# Altium PCB LimeSDR-QPCIe_1v2.PcbDoc (part 13 of 21) (continued)
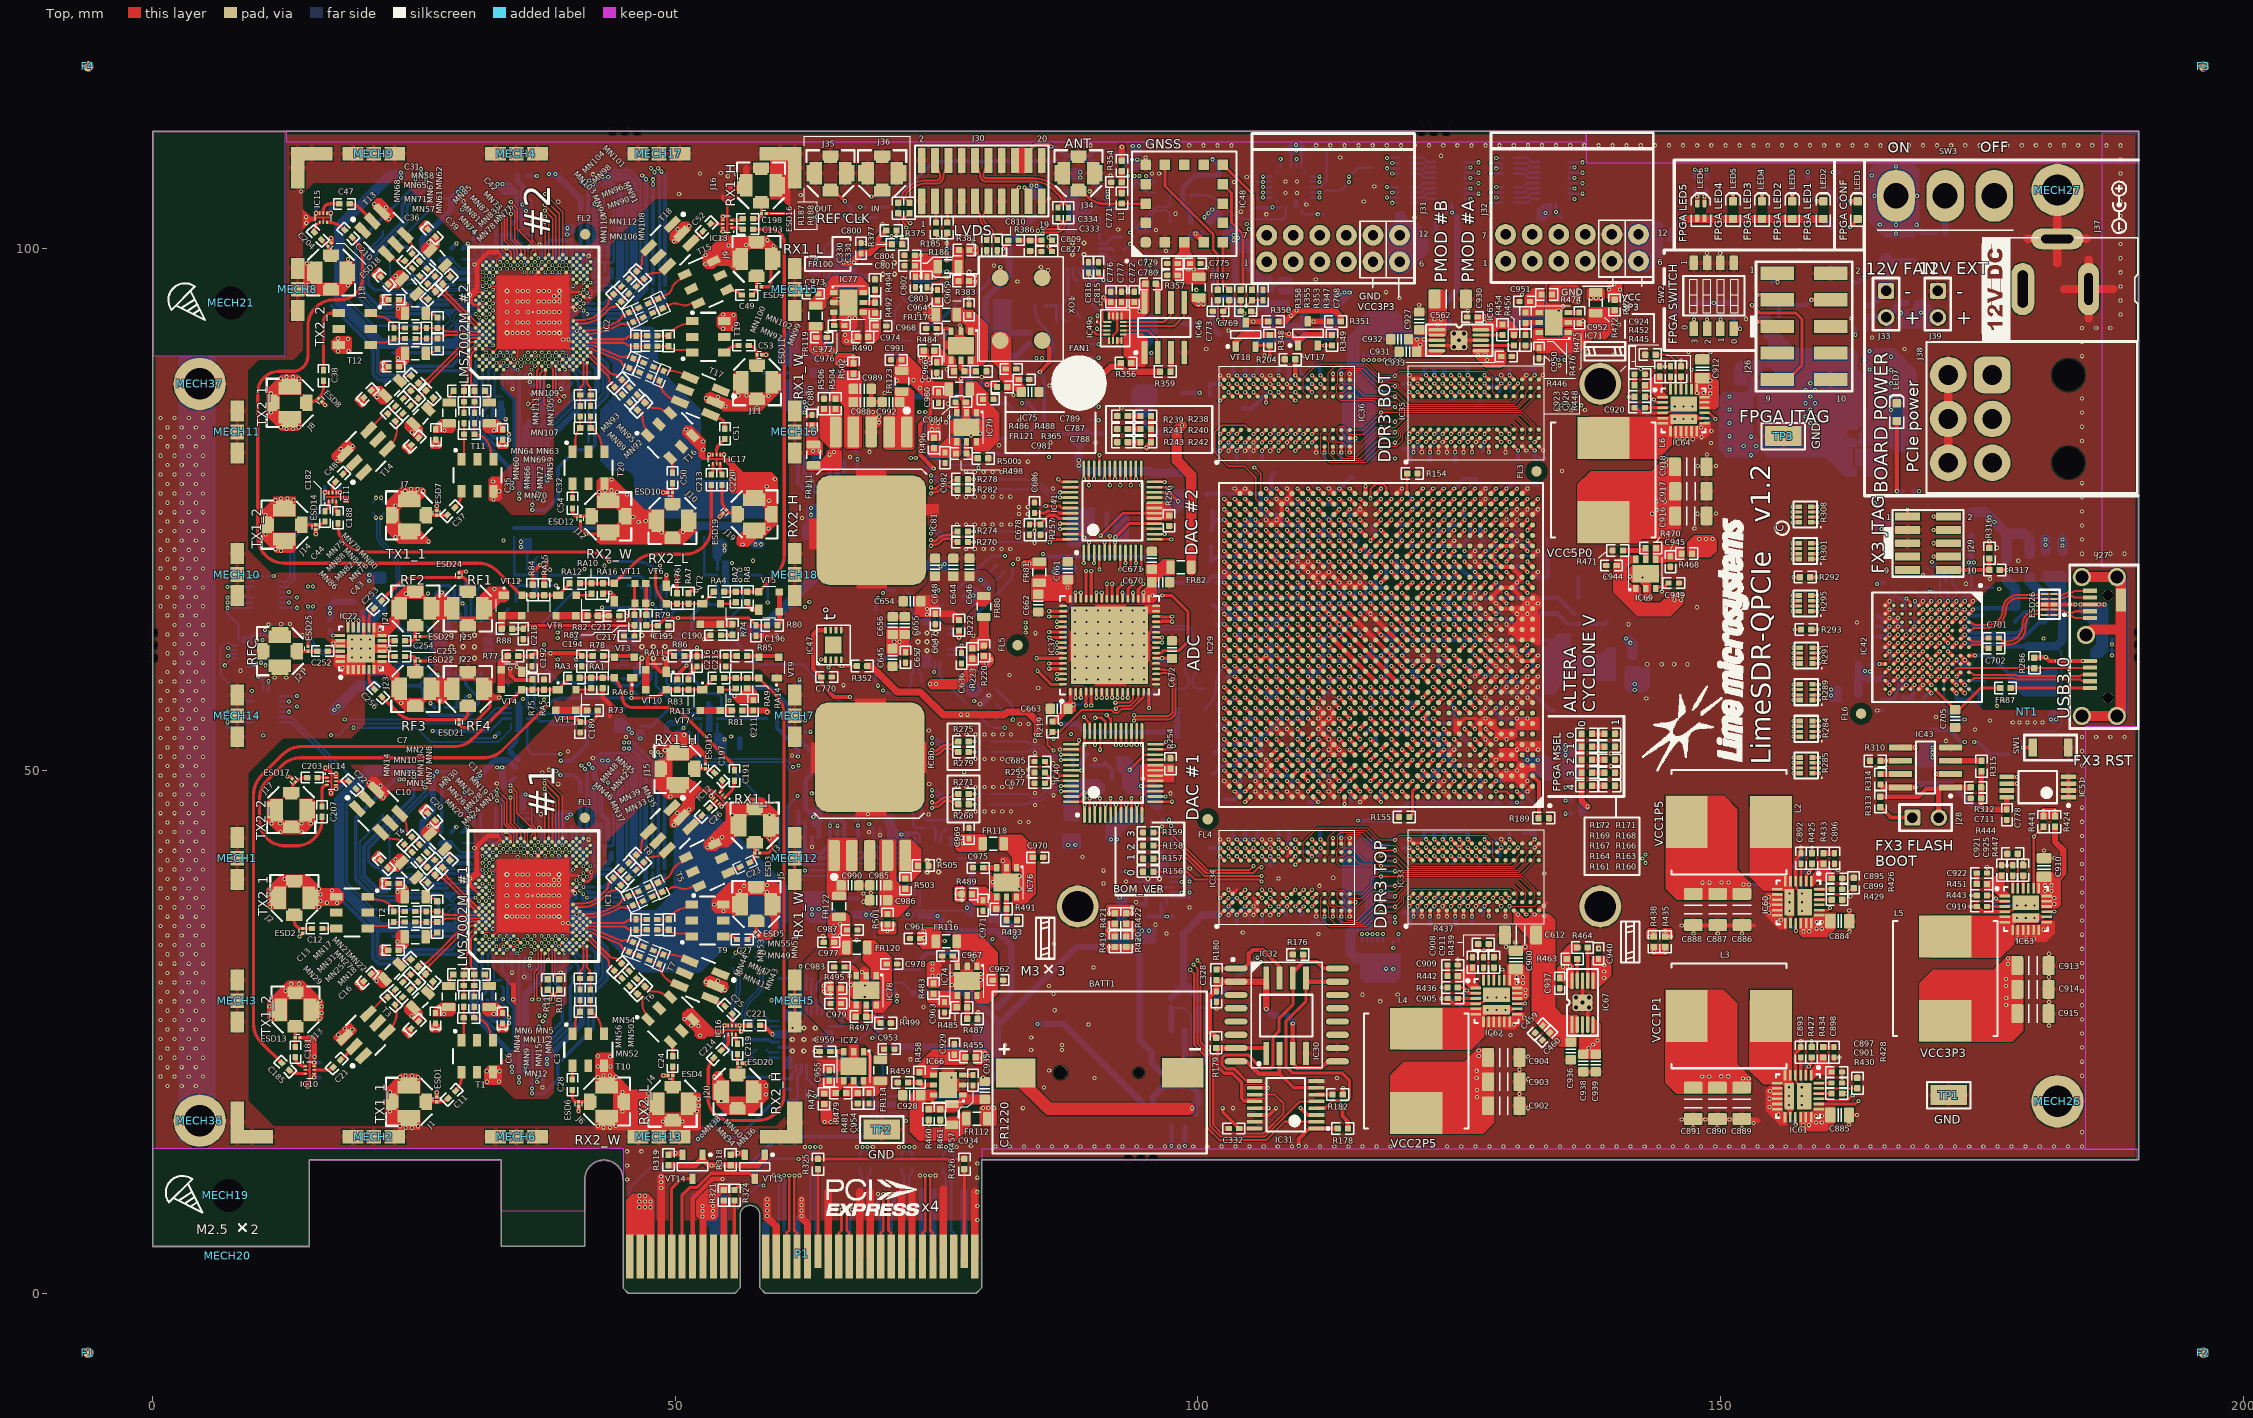
[diagram p0: Top view]
## Nets (pads, with @x,y where several pads share a name; then routed paths per layer and width w, separated by ;. In a path a pad name is that pad's centre, name@x,y a point inside that pad or via, vN(x,y) a via of type N, cw(c..) or ccw(c..) an arc to the next point about the centre after c; other vN are vias at no path point) (continued)
LMS1_RESET: IC1.E27 IC29.L21 R5.2 | length 91.7
  Top w0.4: v2(111.525,58) IC29.L21@112.025,57.5
  L8 w0.1: v3(32.217,41.178) 32.217,41.152 33.869,39.5 35.94,39.5 36.74,38.7 39.139,38.7 40.959,40.52 41.343,40.52 41.533,40.71 41.533,41.395 42.179,42.041 42.555,42.041 45.839,45.325 54.525,45.325 v1(62.925,53.725) 63.4,54.2 78.48,54.2 79.08,53.6 79.08,53.32 80.125,52.275 84.475,52.275 86.05,53.85 91.824,53.85 94.499,56.525 99.449,56.525 100.574,57.65 110.67,57.65 111.02,58 v2(111.525,58)
  Bottom w0.4: R5.2@62.4,53.725 v1(62.925,53.725)
LMS1_RX1_BB_I_ADC_N: IC1.U5 R3.2 | length 22.9
  L10 w0.1: v3(36.213,33.852) 36.213,34.463 cw(c36.55,34.463) 36.55,34.8 54.729,34.8 cw(c54.729,33.4) 56.129,33.4 56.129,32.94 ccw(c56.641,32.94) v1(56.279,32.577)
  Bottom w0.2: v1@56.276,32.576 ccw(c57.541,33.091) R3.2@56.575,32.125
LMS1_RX1_BB_I_ADC_P: IC1.V4 R1.2 | length 22.1
  L10 w0.1: v3(36.546,33.519) 36.636,33.609 ccw(c36.121,34.125) 36.85,34.125 cw(c37.325,34.125) 37.325,34.6 54.729,34.6 cw(c54.729,33.4) 55.929,33.4 55.929,32.937 cw(c55.417,32.937) v1(55.779,32.575)
  Bottom w0.2: R1.2@55.479,32.124 ccw(c54.514,33.089) v1(55.779,32.575)
LMS1_RX1_BB_I_DET: IC19.15 R89.2 R92.1 R93.2 | length 4
  Bottom w0.3: IC19.15@64.7,23.025 R93.2@65.975,23.025 65.975,21.5 R92.1@65.879,21.404 R89.2@66.656,20.626
LMS1_RX1_BB_I_DET_N: IC19.26 R95.1 | length 1.3
  Bottom w0.2: R95.1@58.725,23.3 59,23.025 IC19.26@59.9,23.025
LMS1_RX1_BB_I_DET_P: IC19.25 R94.1 | length 1.3
  Bottom w0.2: R94.1@58.725,22.25 59,22.525 IC19.25@59.9,22.525
LMS1_RX1_BB_I_N: IC1.AB2 R3.1 R95.2 R210.2 | length 80.4
  Top w0.1: 37.878,32.267 IC1.AB2@37.878,32.853
  Top w0.15: v1(37.825,31.875) ccw(c37.697,32.003) 37.878,32.003 37.878,32.267
  L12 w0.1: v1(37.825,31.875) ccw(c38.309,31.875) 38.309,31.391 39.725,31.391 ccw(c39.725,31.695) 40.029,31.695 40.029,32.065 cw(c40.333,32.065) 40.333,32.369 cw(c40.333,32.065) 40.637,32.065 40.637,31.695 ccw(c40.941,31.695) 40.941,31.391 41.245,31.391 ; v1(56.279,30.672) cw(c56.279,30.822) v1@56.251,30.675 ; v1@56.279,30.677 ccw(c56.279,30.527) v1@56.251,30.675 ; 56.556,29.394 cw(c57.586,30.425) 56.129,30.425 56.129,30.527 cw(c56.279,30.527) v1@56.251,30.675 ; 56.556,29.394 ccw(c57.266,30.105) 57.266,29.1 57.798,29.1 ccw(c57.798,31.64) 59.594,29.844 ccw(c57.95,31.488) 60.275,31.488 60.275,50.997 cw(c62.353,50.997) 60.884,52.466 cw(c62.353,50.997) 62.353,53.075 63.631,53.075 ccw(c63.631,55.615) 65.428,53.819 69.164,57.556 ; 69.164,57.556 ccw(c68.595,58.125) v1(69.4,58.125) ; 41.245,31.391 41.75,31.391 ; 41.245,31.391 41.75,31.391 ; 41.75,31.391 45.275,31.391 ccw(c45.275,31.588) 45.471,31.588 45.471,32.393 cw(c45.883,32.393) 46.295,32.393 46.295,30.174 ccw(c46.491,30.174) 46.687,30.174 46.687,32.393 cw(c47.099,32.393) 47.511,32.393 47.511,31.588 ccw(c47.707,31.588) 47.707,31.391 55.662,31.391 cw(c55.662,30.925) 56.129,30.925 56.129,30.822 ccw(c56.279,30.822) v1@56.251,30.675
  Bottom w0.2: R3.1@56.575,31.125 56.475,31.025 ccw(c57.199,30.301) 56.175,30.301 56.175,28.945 cw(c54.98,28.945) 55.825,28.1 ccw(c56.187,27.738) 55.675,27.738 55.675,25.926 cw(c54.224,25.926) 55.25,24.9 ccw(c55.793,24.357) 55.025,24.357 55.025,23.9 ccw(c56,23.9) 56,22.925 57.125,22.925 ccw(c57.125,23.468) 57.509,23.084 R95.2@57.725,23.3
  Bottom w0.254: R210.2@69.15,59.25 69.15,58.729 ccw(c70.004,58.729) v1(69.4,58.125)
LMS1_RX1_BB_I_P: IC1.Y6 R1.1 R94.2 R214.2 | length 81.2
  L12 w0.1: v3(37.212,34.185) 37.106,34.079 ccw(c37.635,33.55) 36.887,33.55 36.887,32.746 ccw(c38.457,32.746) 38.457,31.176 40.841,31.176 41.245,31.176 41.75,31.176 45.275,31.176 ccw(c45.275,31.588) 45.687,31.588 45.687,32.393 cw(c45.883,32.393) 46.079,32.393 46.079,30.174 ccw(c46.491,30.174) 46.903,30.174 46.903,32.393 cw(c47.099,32.393) 47.295,32.393 47.295,31.588 ccw(c47.707,31.588) 47.707,31.176 55.678,31.176 cw(c55.678,30.925) 55.929,30.925 55.929,30.825 cw(c55.779,30.825) v1(55.779,30.675) cw(c55.779,30.525) 55.929,30.525 55.929,30.342 ccw(c57.386,30.342) 56.356,29.311 56.414,29.253 ccw(c57.266,30.105) 57.266,28.9 57.798,28.9 ccw(c57.798,31.64) 59.735,29.703 ccw(c57.95,31.488) 60.475,31.488 60.475,50.997 cw(c62.353,50.997) 61.025,52.325 cw(c62.353,50.997) 62.353,52.875 63.631,52.875 ccw(c63.631,55.615) 65.569,53.678 69.306,57.414 ; 69.306,57.414 cw(c69.875,56.845) v1(69.875,57.65)
  Bottom w0.2: R1.1@55.475,31.125 55.575,31.025 cw(c54.851,30.301) 55.875,30.301 55.875,28.945 cw(c54.98,28.945) 55.613,28.312 ccw(c56.187,27.738) 55.375,27.738 55.375,25.926 cw(c54.224,25.926) 55.038,25.112 ccw(c55.793,24.357) 54.725,24.357 54.725,23.9 ccw(c56,23.9) 56,22.625 57.125,22.625 cw(c57.125,22.082) 57.509,22.466 R94.2@57.725,22.25
  Bottom w0.254: v1(69.875,57.65) ccw(c70.479,58.254) 70.479,57.4 R214.2@71,57.4
LMS1_RX1_BB_Q_ADC_N: IC1.W3 R7.2 | length 37.9
  Top w0.1: 36.879,32.629 IC1.W3@36.879,33.186
  Top w0.15: v1(36.31,28.1) 36.5,28.29 36.5,30.7 36.879,31.079 36.879,32.629
  L8 w0.1: v1@36.31,28.11 cw(c36.31,27.976) 36.404,28.071 36.525,27.95 36.525,27.85 cw(c36.25,27.85) 36.25,27.575 ccw(c36.25,26.825) 35.5,26.825 35.5,26.425 ccw(c36.062,26.425) 35.665,26.028 36.567,25.125 ccw(c37.05,25.608) 37.05,24.925 37.123,24.925 ccw(c37.123,27.665) 39.06,25.728 48.064,34.731 cw(c49.86,32.935) 49.86,35.475 56.004,35.475 cw(c56.004,33.35) 58.129,33.35 58.129,32.937 cw(c57.617,32.937) v1(57.979,32.575)
  Bottom w0.2: R7.2@57.675,32.125 R7.2@57.75,32.2 ; R7.2@57.679,32.124 ccw(c56.714,33.089) R7.2@57.75,32.2 ; R7.2@57.775,32.225 R7.2@57.75,32.2 ; v1(57.979,32.575) cw(c56.714,33.089) R7.2@57.75,32.2
LMS1_RX1_BB_Q_ADC_P: IC1.Y2 R4.2 | length 37.6
  Top w0.15: v1(36.94,28.1) 36.75,28.29 36.75,30.503 37.195,30.948 37.195,32.836 IC1.Y2@37.212,32.853
  L8 w0.1: v1(36.94,28.1) ccw(c36.94,27.942) 36.829,28.054 36.725,27.95 36.725,27.85 cw(c36.25,27.85) 36.25,27.375 ccw(c36.25,26.825) 35.7,26.825 35.7,26.425 ccw(c36.062,26.425) 35.806,26.169 36.709,25.266 ccw(c37.05,25.608) 37.05,25.125 37.123,25.125 ccw(c37.123,27.665) 38.919,25.869 47.922,34.872 cw(c49.86,32.935) 49.86,35.675 56.004,35.675 cw(c56.004,33.35) 58.329,33.35 58.329,32.94 ccw(c58.841,32.94) v1(58.479,32.577)
  Bottom w0.2: v1@58.476,32.576 ccw(c59.741,33.091) R4.2@58.773,32.127 ; R4.2@58.675,32.225 R4.2@58.773,32.127 ; R4.2@58.773,32.127 ccw(c59.741,33.091) R4.2@58.775,32.125 R4.2@58.773,32.127
LMS1_RX1_BB_Q_DET: IC19.10 R100.1 R101.2 R102.2 | length 4
  Bottom w0.3: IC19.10@64.7,25.525 R101.2@65.975,25.525 65.975,27.05 R100.1@65.879,27.146 R102.2@66.656,27.924
LMS1_RX1_BB_Q_DET_N: IC19.31 R97.1 | length 1.3
  Bottom w0.2: R97.1@58.725,25.225 59.025,25.525 IC19.31@59.9,25.525
LMS1_RX1_BB_Q_DET_P: IC19.32 R96.1 | length 1.3
  Bottom w0.2: R96.1@58.725,26.325 59.025,26.025 IC19.32@59.9,26.025
LMS1_RX1_BB_Q_N: IC1.AA5 R7.1 R97.2 R225.2 | length 79
  L12 w0.1: v3(37.545,33.852) 37.545,34.17 cw(c38.175,34.17) 38.175,34.8 49.148,34.8 cw(c49.148,32.26) 50.944,34.056 52.106,32.894 ccw(c53.902,34.69) 53.902,32.15 55.875,32.15 cw(c55.875,30.9) 57.125,30.9 57.125,30.45 ccw(c57.65,30.45) 57.65,29.925 ccw(c57.65,30.404) 58.129,30.404 58.129,30.525 ccw(c57.979,30.525) v1(57.979,30.675) ccw(c57.979,30.825) 58.129,30.825 58.129,30.925 cw(c58.7,30.925) 58.296,31.329 58.959,31.991 ccw(c57.953,32.997) 59.375,32.997 59.375,51.582 cw(c62.115,51.582) 60.178,53.52 60.481,53.823 ccw(c58.685,55.619) 61.225,55.619 61.225,65.335 cw(c63.965,65.335) 63.965,68.075 67.576,68.075 cw(c67.576,65.926) 69.096,67.446 69.306,67.236 ccw(c69.875,67.805) v1(69.875,67)
  Bottom w0.2: 56.993,28.093 ccw(c58.487,26.6) 56.375,26.6 56.375,26.45 ccw(c57.2,26.45) 57.2,25.625 cw(c57.2,25.323) 57.413,25.537 R97.2@57.725,25.225 ; 56.994,28.094 57.825,28.925 ccw(c57.221,29.529) 58.075,29.529 58.075,30.5 ccw(c57.532,30.5) 57.916,30.884 R7.1@57.675,31.125
  Bottom w0.254: v1(69.875,67) cw(c70.479,66.396) 70.479,67.25 R225.2@71,67.25
LMS1_RX1_BB_Q_P: IC1.AB4 R4.1 R96.2 R229.2 | length 78.4
  L12 w0.1: v3@37.878,33.632 v3(37.878,33.519) 38.308,33.089 ccw(c38.825,33.607) 38.825,32.875 38.978,32.875 ccw(c38.978,33.472) 39.4,33.05 40.206,33.856 cw(c42.002,32.06) 42.002,34.6 49.065,34.6 cw(c49.065,32.06) 50.861,33.856 51.965,32.753 ccw(c53.902,34.69) 53.902,31.95 55.875,31.95 cw(c55.875,30.9) 56.925,30.9 56.925,30.45 ccw(c57.65,30.45) 57.65,29.725 57.712,29.725 ccw(c57.712,30.342) 58.329,30.342 58.329,30.527 cw(c58.479,30.527) v1@58.451,30.675 ; v1(58.479,30.672) cw(c58.479,30.823) v1@58.451,30.675 ; v1@58.479,30.677 ccw(c58.479,30.527) v1@58.451,30.675 ; v1(69.4,66.525) ccw(c68.595,66.525) 69.164,67.094 68.954,67.304 ccw(c67.576,65.926) 67.576,67.875 63.965,67.875 ccw(c63.965,65.335) 61.425,65.335 61.425,55.619 cw(c58.685,55.619) 60.622,53.682 60.319,53.378 ccw(c62.115,51.582) 59.575,51.582 59.575,32.997 cw(c57.953,32.997) 59.1,31.85 58.437,31.187 ccw(c58.7,30.925) 58.329,30.925 58.329,30.823 ccw(c58.479,30.823) v1@58.451,30.675
  Bottom w0.2: R96.2@57.725,26.325 57.413,26.013 cw(c57.2,26.227) 57.2,25.925 cw(c57.2,26.45) 56.675,26.45 56.675,26.6 cw(c58.487,26.6) 57.206,27.882 58.037,28.713 ccw(c57.221,29.529) 58.375,29.529 58.375,30.5 cw(c58.918,30.5) 58.534,30.884 R4.1@58.775,31.125
  Bottom w0.254: R229.2@69.15,65.4 69.15,65.921 cw(c70.004,65.921) v1(69.4,66.525)
LMS1_RX2_BB_I_ADC_N: IC1.V6 R11.2 | length 7.8
  Top w0.2: R11.2@37.786,29.025 38.186,28.625 38.186,28.261 v1(38.025,28.1)
  L8 w0.1: v3(36.546,34.185) cw(c36.546,33.856) 36.875,33.856 36.875,30.302 ccw(c39.415,30.302) 37.619,28.506 v1(38.025,28.1)
LMS1_RX2_BB_I_ADC_P: IC1.AA1 R10.2 | length 7.4
  Top w0.15: IC1.AA1@37.545,32.52 37.445,32.42 37.445,30.845 37.125,30.525 37.125,29.036 ccw(c38.661,29.036) 37.575,27.95 37.659,27.866 ccw(c38,28.208) 38,27.725 38.272,27.725 ccw(c38.272,28.1) v1(38.647,28.1)
  Top w0.2: v1(38.647,28.1) 38.486,28.261 38.486,28.625 R10.2@38.886,29.025
LMS1_RX2_BB_I_N: IC1.AC3 R11.1 | length 3.3
  Top w0.1: 38.211,32.6 IC1.AC3@38.211,33.186
  Top w0.15: R11.1@37.786,30.025 38.211,30.45 38.211,32.6
LMS1_RX2_BB_I_P: IC1.AD2 R10.1 | length 3.1
  Top w0.15: IC1.AD2@38.527,32.836 IC1.AD2@38.544,32.853 ccw(c38.544,32.784) 38.475,32.784 38.461,32.784 38.461,30.45 R10.1@38.886,30.025
LMS1_RX2_BB_Q_ADC_N: IC1.Y4 R17.2 | length 9.1
  L10 w0.1: v1(37,26.55) 36.75,26.55 cw(c36.75,27.875) 35.425,27.875 cw(c36.451,27.875) 35.726,28.601 36.381,29.256 ccw(c34.585,31.052) 37.125,31.052 37.125,33.309 cw(c37.422,33.309) v3(37.212,33.519)
  Bottom w0.2: R17.2@36.675,26.875 v1(37,26.55) v1@37,26.6
LMS1_RX2_BB_Q_ADC_P: IC1.AA3 R14.2 | length 9.1
  L10 w0.1: v3(37.545,33.186) ccw(c38.076,32.655) 37.325,32.655 37.325,31.252 ccw(c39.865,31.252) 38.069,29.456 38.956,28.569 cw(c38.437,28.049) 39.171,28.049 ; v1(37.55,26.55) v1@37.672,26.55 ; 37.8,26.55 v1@37.672,26.55 ; 39.171,27.921 39.171,28.049 ; v1@37.672,26.55 ccw(c37.672,28.049) 39.171,28.049
  Bottom w0.2: v1(37.55,26.55) 37.875,26.875 R14.2@37.875,26.925
LMS1_RX2_BB_Q_N: IC1.AB6 R17.1 | length 12.2
  L8 w0.1: v1(36.975,25.5) ccw(c36.975,27.25) 38.213,26.013 39.014,26.814 ccw(c37.901,27.927) 39.475,27.927 39.475,28.226 ccw(c38.451,28.226) 39.175,28.95 cw(c40.996,30.771) 38.421,30.771 38.421,31.358 cw(c40.021,31.358) 38.89,32.49 39.075,32.675 ccw(c38.653,33.097) 39.25,33.097 39.25,33.178 ccw(c38.653,33.178) 39.075,33.6 cw(c39.558,34.083) 38.875,34.083 38.875,34.175 ccw(c38.55,34.175) 38.55,34.5 ccw(c38.55,33.638) 37.941,34.248 v3(37.878,34.185)
  Bottom w0.2: R17.1@36.757,25.718 v1(36.975,25.5)
LMS1_RX2_BB_Q_P: IC1.AC5 R14.1 | length 12.4
  L8 w0.1: v1(37.325,26.025) 36.6,26.025 cw(c36.6,26.6) 36.025,26.6 cw(c36.475,26.6) 36.475,27.05 38.296,27.05 ccw(c38.296,28.029) 39.275,28.029 39.275,28.226 ccw(c38.451,28.226) 39.034,28.809 38.955,28.887 cw(c40.751,30.683) 38.211,30.683 v3(38.211,33.852)
  Bottom w0.2: v1(37.325,26.025) 37.634,26.025 cw(c37.634,25.684) R14.1@37.875,25.925
LMS1_RXEN: IC1.V34 IC29.Y26 R6.1 | length 91.6
  Top w0.15: v1@36.287,46.741 36.287,44.864 36.61,44.541 36.61,43.509 IC1.V34@36.546,43.509
  Top w0.4: v2(106.525,67) IC29.Y26@107.025,66.5
  L8 w0.1: v1(36.262,46.741) 36.737,47.216 36.737,49.811 39.176,52.25 40.38,52.25 44.83,56.7 56.225,56.7 68.7,69.175 84.441,69.175 86.491,71.225 86.975,71.225 88.675,72.925 96.025,72.925 96.65,72.3 97.05,72.3 97.225,72.475 100.85,72.475 101.3,72.025 101.3,71.483 102.158,70.625 103.678,70.625 104.075,70.228 104.075,69.945 104.875,69.145 105.875,68.145 105.875,67.65 v2(106.525,67)
  Bottom w0.4: v1(55.175,56.7) 55.175,57.425 R6.1@55.7,57.95
LMS1_RXPLL_CLK: C792.2 IC1.AM24 R369.1 | length 80.6
  L12 w0.1: v3(41.208,40.179) 40.83,40.557 cw(c41.507,41.234) 40.55,41.234 40.55,50.048 cw(c43.09,50.048) 41.294,51.844 43.556,54.106 cw(c45.352,52.31) 45.352,54.85 47.048,54.85 ccw(c47.048,57.39) 48.844,55.594 53.717,60.467 ccw(c52.308,61.875) 54.3,61.875 54.3,62.448 cw(c56.84,62.448) 55.044,64.244 60.856,70.056 ccw(c59.06,71.852) 61.6,71.852 61.6,84.723 cw(c64.14,84.723) 62.344,86.519 65.156,89.331 cw(c66.952,87.535) 66.952,90.075 70.748,90.075 ccw(c70.748,92.615) 72.544,90.819 76.606,94.881 ccw(c74.81,96.677) 77.35,96.677 77.35,97.5 ccw(c76.025,97.5) 76.025,98.825 v1(75.975,98.825)
  Bottom w0.254: R369.1@75.425,98.825 v1(75.975,98.825) C792.2@76.525,98.825
LMS1_TX1_2_LB_AT: C189.1 IC7.3 R73.2 | length 34.9
  Top w0.4: v1(39.025,55.025) 40.525,55.025 C189.1@40.9,54.65 42,54.65 42.575,55.225 R73.2@42.575,55.75
  L8 w0.1: v1(13.05,56.625) 13.85,56.625 15.875,58.65 24.375,58.65 25.55,59.825 32.75,59.825 33.5,59.075 34.6,59.075 36.7,56.975 36.7,56.55 38.225,55.025 v1(39.025,55.025)
  Bottom w0.25: IC7.3@12.126,56.625 v1(13.05,56.625)
LMS1_TX1_2_LB_H: C183.2 C200.2 IC7.4 IC10.4 IC12.6 | length 91.4
  L6 w0.1: v1(15.447,20.651) 16.1,21.304 16.1,22.95 14.6,24.45 14.6,42.95 13.5,44.05 13.5,55.825 v1(13.8,56.125) 14.075,56.4 16.258,56.4 16.783,56.925 20.559,56.925 22.884,54.6 27.191,54.6 30.216,57.625 44.325,57.625 45.35,56.6 50.384,56.6 51.691,55.293 51.691,54.434 53.329,52.796 53.329,48.029 53.05,47.75 53.05,47.425 53.896,46.579 v1(54.436,46.579)
  Bottom w0.25: IC7.4@12.126,56.125 v1(13.8,56.125)
  Bottom w0.4: v1(15.447,20.651) C183.2@15.947,20.651 ; v1(54.436,46.579) C200.2@54.778,46.921
LMS1_TX1_2_LB_L: C184.2 C199.2 IC7.5 IC10.6 IC12.4 | length 87.8
  L6 w0.1: v1(15.45,22.075) 14.4,23.125 14.4,42.867 13.3,43.967 13.3,53.8 13.3,55.375 v1(13.05,55.625) 13.05,55.87 13.78,56.6 16.175,56.6 16.7,57.125 20.642,57.125 22.967,54.8 27.108,54.8 30.133,57.825 49.442,57.825 51.891,55.376 51.891,54.516 53.529,52.878 53.529,47.686 v1(53.429,47.586)
  Bottom w0.25: IC7.5@12.126,55.625 v1(13.05,55.625)
  Bottom w0.4: v1(15.45,22.075) C184.2@15.953,22.074 ; v1(53.429,47.586) C199.2@53.771,47.928
LMS1_TX1_2_LB_SH: C192.1 C194.1 IC7.2 R77.2 R78.1 | length 34.8
  Top w0.4: R77.2@34.975,60.975 C192.1@36.3,60.975 36.55,61.225 v1(38.075,61.225) 40.75,61.225 C194.1@41,60.975 ; C194.1@41.125,60.975 R78.1@42.05,60.975
  L8 w0.1: v1(13.8,57.125) 14.05,57.125 15.775,58.85 24.292,58.85 25.467,60.025 32.75,60.025 33.95,61.225 v1(38.075,61.225)
  Bottom w0.25: IC7.2@12.126,57.125 v1(13.8,57.125)
LMS1_TX1_BB_I_N: IC1.R5 R271.1 | length 74.4
  Top w0.25: v1(74.55,46.965) 74.562,46.953 ccw(c74.775,47.167) 74.775,46.865 74.832,46.865 ccw(c74.832,47.283) 75.127,46.987 75.292,47.152 cw(c76,46.443) 76,47.445 76.295,47.445 ccw(c76.295,47.529) 76.355,47.469 cw(c77.08,46.744) R271.1@77.08,47.77
  L8 w0.1: v3(35.547,33.852) cw(c35.962,34.267) 35.375,34.267 35.375,34.4 cw(c35.825,34.4) 35.825,34.85 40.2,34.85 40.504,34.85 40.808,34.85 cw(c40.808,34.546) 41.112,34.546 41.112,34.502 ccw(c41.416,34.502) 41.416,34.198 ccw(c41.416,34.502) 41.72,34.502 41.72,34.546 cw(c42.024,34.546) 42.024,34.85 42.328,34.85 42.375,34.85 43.64,34.85 ccw(c43.64,37.59) 45.578,35.653 50.881,40.956 cw(c52.677,39.16) 52.677,41.7 54.15,41.7 ccw(c54.15,42.104) 54.554,42.104 54.554,42.91 cw(c54.758,42.91) 54.962,42.91 54.962,40.69 ccw(c55.366,40.69) 55.77,40.69 55.77,42.91 cw(c55.974,42.91) 56.178,42.91 56.178,40.69 ccw(c56.582,40.69) 56.986,40.69 56.986,42.91 cw(c57.19,42.91) 57.394,42.91 57.394,40.69 ccw(c57.798,40.69) 58.202,40.69 58.202,42.91 cw(c58.406,42.91) 58.61,42.91 58.61,40.69 ccw(c59.014,40.69) 59.418,40.69 59.418,42.91 cw(c59.622,42.91) 59.826,42.91 59.826,42.104 ccw(c60.23,42.104) 60.23,41.7 71.223,41.7 ccw(c71.223,44.44) 73.16,42.503 75.616,44.959 ccw(c74.992,45.583) 75.875,45.583 75.875,46.14 ccw(c75.225,46.14) 75.225,46.79 74.972,46.79 cw(c74.972,47.387) v1(74.55,46.965)
LMS1_TX1_BB_I_P: IC1.T4 R268.1 | length 74.1
  Top w0.25: v1(74.55,46.415) 74.562,46.427 cw(c74.775,46.213) 74.775,46.515 74.832,46.515 ccw(c74.832,47.283) 75.375,46.74 75.539,46.904 cw(c76,46.443) 76,47.095 76.295,47.095 cw(c76.295,47.011) 76.355,47.071 ccw(c77.08,47.796) R268.1@77.08,46.77
  L8 w0.1: v3(35.88,33.519) 35.531,33.519 cw(c35.531,33.875) 35.175,33.875 35.175,34.483 cw(c35.742,34.483) 35.742,35.05 42.375,35.05 43.64,35.05 ccw(c43.64,37.59) 45.436,35.794 50.74,41.097 cw(c52.677,39.16) 52.677,41.9 54.15,41.9 ccw(c54.15,42.104) 54.354,42.104 54.354,42.91 cw(c54.758,42.91) 55.162,42.91 55.162,40.69 ccw(c55.366,40.69) 55.57,40.69 55.57,42.91 cw(c55.974,42.91) 56.378,42.91 56.378,40.69 ccw(c56.582,40.69) 56.786,40.69 56.786,42.91 cw(c57.19,42.91) 57.594,42.91 57.594,40.69 ccw(c57.798,40.69) 58.002,40.69 58.002,42.91 cw(c58.406,42.91) 58.81,42.91 58.81,40.69 ccw(c59.014,40.69) 59.218,40.69 59.218,42.91 cw(c59.622,42.91) 60.026,42.91 60.026,42.104 ccw(c60.23,42.104) 60.23,41.9 71.223,41.9 ccw(c71.223,44.44) 73.019,42.644 75.475,45.1 ccw(c74.992,45.583) 75.675,45.583 75.675,46.14 ccw(c75.225,46.14) 75.225,46.59 74.972,46.59 ccw(c74.972,45.993) v1(74.55,46.415)
LMS1_TX1_BB_Q_N: IC1.P2 R279.1 | length 74
  Top w0.25: 74.775,51.525 74.832,51.525 ccw(c74.832,52.293) 75.375,51.75 75.539,51.914 cw(c76,51.453) 76,52.105 76.295,52.105 cw(c76.295,52.021) 76.355,52.081 ccw(c77.08,52.806) R279.1@77.08,51.78
  L8 w0.1: v3(35.214,32.853) 35.337,32.853 cw(c35.337,32.687) 35.454,32.804 cw(c35.163,32.513) 35.575,32.513 35.575,31.489 cw(c34.636,31.489) 35.3,30.825 35.229,30.754 ccw(c36.082,29.9) 34.875,29.9 34.875,26.687 ccw(c36.009,26.687) 35.207,25.885 36.261,24.832 ; 36.261,24.831 ccw(c37.242,25.813) 37.242,24.425 45.073,24.425 ccw(c45.073,27.165) 47.01,25.228 52.264,30.481 cw(c54.06,28.685) 54.06,31.225 57.523,31.225 ccw(c57.523,33.965) 59.46,32.028 60.897,33.465 ccw(c58.96,35.402) 61.7,35.402 61.7,36.375 cw(c63.631,36.375) 62.266,37.741 64.481,39.956 cw(c66.277,38.16) 66.277,40.7 71.448,40.7 ccw(c71.448,43.44) 73.385,41.503 75.797,43.915 ccw(c73.86,45.852) 76.6,45.852 76.6,48.25 ccw(c75.25,48.25) 75.25,49.6 72.8,49.6 cw(c72.8,50.45) 71.95,50.45 cw(c73.1,50.45) 73.1,51.6 74.127,51.6 cw(c74.127,51.003) v1(74.55,51.425)
LMS1_TX1_BB_Q_P: IC1.R3 R275.1 | length 73.8
  Top w0.25: 74.775,51.875 74.832,51.875 ccw(c74.832,52.293) 75.127,51.997 75.292,52.162 cw(c76,51.453) 76,52.455 76.295,52.455 ccw(c76.295,52.539) 76.355,52.479 cw(c77.08,51.754) R275.1@77.08,52.78
  L8 w0.1: v3(35.547,33.186) 35.547,33.063 ccw(c35.713,33.063) 35.596,32.946 cw(c35.163,32.513) 35.775,32.513 35.775,31.489 cw(c34.636,31.489) 35.441,30.684 35.37,30.612 ccw(c36.082,29.9) 35.075,29.9 35.075,26.687 ccw(c36.009,26.687) 35.348,26.027 36.343,25.032 ccw(c37.325,26.013) 37.325,24.625 45.073,24.625 ccw(c45.073,27.165) 46.869,25.369 52.122,30.622 cw(c54.06,28.685) 54.06,31.425 57.523,31.425 ccw(c57.523,33.965) 59.319,32.169 60.756,33.606 ccw(c58.96,35.402) 61.5,35.402 61.5,36.375 cw(c63.631,36.375) 62.124,37.882 64.34,40.097 cw(c66.277,38.16) 66.277,40.9 71.448,40.9 ccw(c71.448,43.44) 73.244,41.644 75.656,44.056 ccw(c73.86,45.852) 76.4,45.852 76.4,48.25 ccw(c75.25,48.25) 75.25,49.4 72.8,49.4 cw(c72.8,50.45) 71.75,50.45 cw(c73.1,50.45) 73.1,51.8 74.128,51.8 ccw(c74.128,52.397) v1(74.55,51.975)
LMS1_TX2_2_LB_AT: C211.1 IC7.15 R81.2 | length 55.7
  Top w0.6: R81.2@56.4,55.75 58.675,55.75 v1(58.8,55.625)
  L6 w0.1: v1(9.476,57.624) 9.651,57.8 20.25,57.8 23.05,55 27.025,55 30.05,58.025 49.525,58.025 51.925,55.625 v1(58.8,55.625)
  Bottom w0.25: IC7.15@9.476,57.175 v1(9.476,57.624)
LMS1_TX2_2_LB_H: C205.2 C222.2 IC7.6 IC14.4 IC16.6 | length 83.9
  L12 w0.1: v1(17.531,48.266) 17.531,46.731 14.925,44.125 14.925,20.475 17.05,18.35 44.875,18.35 51.675,25.15 54.236,25.15 v1(54.713,25.627)
  Bottom w0.25: IC7.6@12.126,55.125 13.271,55.125 C205.2@18.663,49.734 C205.2@18.65,49.721
  Bottom w0.4: v1(17.531,48.266) 17.781,48.266 18.65,49.136 C205.2@18.65,49.721 ; C222.2@54.246,25.627 v1(54.713,25.627)
LMS1_TX2_2_LB_L: C206.2 C221.2 IC7.7 IC14.6 IC16.4 | length 85
  Top w0.4: v1(56.137,25.623) 57.098,25.623 C221.2@57.1,25.625
  L12 w0.1: v1(17.534,49.691) 14.72,46.877 14.72,20.397 16.967,18.15 44.958,18.15 51.083,24.275 54.789,24.275 v1(56.137,25.623)
  Bottom w0.25: IC7.7@12.126,54.625 13.276,54.625 17.046,50.855 C206.2@17.046,49.696
  Bottom w0.4: C206.2@17.051,49.691 v1(17.534,49.691)
LMS1_TX2_2_LB_SH: C215.1 C216.1 IC7.1 R85.1 R86.2 | length 49.5
  Top w0.4: R86.2@50.875,60.963 C216.1@52.075,60.963 ; C216.1@52.075,60.95 C216.1@52.075,60.963 ; v1(52.075,61.775) C216.1@52.075,60.963 ; R85.1@55.875,60.963 C216.1@52.075,60.963
  L8 w0.1: v1(11.076,58.549) 15.174,58.549 15.675,59.05 24.209,59.05 25.384,60.225 32.667,60.225 33.867,61.425 37.75,61.425 38.575,62.25 51.6,62.25 v1(52.075,61.775)
  Bottom w0.25: IC7.1@11.076,57.625 v1(11.076,58.549)
LMS1_TX2_BB_I_N: IC1.T6 R274.1 | length 98
  Top w0.25: v1(74.475,72.065) 74.487,72.053 ccw(c74.7,72.267) 74.7,71.965 74.757,71.965 ccw(c74.757,72.383) 75.052,72.087 75.217,72.252 cw(c75.925,71.543) 75.925,72.545 76.22,72.545 ccw(c76.22,72.629) 76.28,72.569 cw(c77.005,71.844) R274.1@77.005,72.87
  L6 w0.1: v3(35.88,34.185) 36.34,34.645 cw(c37.317,33.669) 37.317,35.05 37.846,35.05 cw(c37.846,34.196) 38.45,34.8 ccw(c38.752,35.102) 38.752,34.675 39.891,34.675 ccw(c39.891,35.655) 40.584,34.962 ccw(c40.304,35.242) 40.7,35.242 40.7,35.478 cw(c41.572,35.478) 40.955,36.094 41.821,36.961 cw(c43.787,34.995) 43.787,37.775 46.9,37.775 ccw(c46.9,37.959) 47.084,37.959 47.084,38.765 cw(c47.508,38.765) 47.932,38.765 47.932,36.545 ccw(c48.116,36.545) 48.3,36.545 48.3,38.765 cw(c48.724,38.765) 49.148,38.765 49.148,36.545 ccw(c49.332,36.545) 49.516,36.545 49.516,38.765 cw(c49.94,38.765) 50.364,38.765 50.364,36.545 ccw(c50.548,36.545) 50.732,36.545 50.732,38.765 cw(c51.156,38.765) 51.58,38.765 51.58,37.959 ccw(c51.764,37.959) 51.764,37.775 53.167,37.775 ccw(c53.167,39.208) 54.18,38.195 56.533,40.547 cw(c58.471,38.61) 58.471,41.35 70.398,41.35 ccw(c70.398,43.89) 72.194,42.094 75.106,45.006 ccw(c73.31,46.802) 75.85,46.802 75.85,53.383 ccw(c73.31,53.383) 75.106,55.18 69.524,60.761 cw(c71.309,62.546) 68.785,62.546 68.785,67.773 cw(c71.565,67.773) 69.599,69.739 71.116,71.255 cw(c72.697,69.675) 72.697,71.91 74.101,71.91 ccw(c74.101,72.439) v1(74.475,72.065)
LMS1_TX2_BB_I_P: IC1.V2 R270.1 | length 98
  Top w0.25: v1(74.475,71.515) 74.487,71.527 cw(c74.7,71.313) 74.7,71.615 74.757,71.615 ccw(c74.757,72.383) 75.3,71.84 75.464,72.004 cw(c75.925,71.543) 75.925,72.195 76.22,72.195 cw(c76.22,72.111) 76.28,72.171 ccw(c77.005,72.896) R270.1@77.005,71.87
  L6 w0.1: v3(36.546,32.853) ccw(c37.7,34.007) 37.7,32.375 38.1,32.375 ccw(c38.1,33.642) 38.996,32.746 40.635,34.385 ccw(c39.995,35.025) 40.9,35.025 40.9,35.364 cw(c41.711,35.364) 41.137,35.937 41.991,36.791 cw(c43.787,34.995) 43.787,37.535 46.9,37.535 ccw(c46.9,37.959) 47.324,37.959 47.324,38.765 cw(c47.508,38.765) 47.692,38.765 47.692,36.545 ccw(c48.116,36.545) 48.54,36.545 48.54,38.765 cw(c48.724,38.765) 48.908,38.765 48.908,36.545 ccw(c49.332,36.545) 49.756,36.545 49.756,38.765 cw(c49.94,38.765) 50.124,38.765 50.124,36.545 ccw(c50.548,36.545) 50.972,36.545 50.972,38.765 cw(c51.156,38.765) 51.34,38.765 51.34,37.959 ccw(c51.764,37.959) 51.764,37.535 53.167,37.535 ccw(c53.167,39.208) 54.35,38.025 56.731,40.406 cw(c58.527,38.61) 58.527,41.15 70.454,41.15 ccw(c70.454,43.89) 72.392,41.953 75.276,44.836 ccw(c73.31,46.802) 76.09,46.802 76.09,53.383 ccw(c73.31,53.383) 75.276,55.349 69.694,60.931 cw(c71.309,62.546) 69.025,62.546 69.025,67.773 cw(c71.565,67.773) 69.769,69.569 71.286,71.086 cw(c72.697,69.675) 72.697,71.67 74.101,71.67 cw(c74.101,71.141) v1(74.475,71.515)
LMS1_TX2_BB_Q_N: IC1.U1 R282.1 | length 96.7
  Top w0.25: v1(74.475,76.525) 74.487,76.537 cw(c74.7,76.323) 74.7,76.625 74.757,76.625 ccw(c74.757,77.393) 75.3,76.85 75.464,77.014 cw(c75.925,76.553) 75.925,77.205 76.22,77.205 cw(c76.22,77.121) 76.28,77.181 ccw(c77.005,77.906) R282.1@77.005,76.88
  L6 w0.1: v3(36.213,32.52) ccw(c35.913,32.521) 36.125,32.733 35.98,32.733 ccw(c35.98,32.62) 35.9,32.7 35.393,32.193 cw(c34.65,32.935) 34.65,31.885 33.65,31.885 cw(c33.65,33.875) 32.243,32.468 31.787,32.924 cw(c32.938,34.075) 31.31,34.075 31.31,34.173 cw(c31.977,34.173) 31.505,34.645 32.243,35.382 cw(c32.624,35.001) 32.624,35.54 35.915,35.54 ccw(c35.915,35.9) 36.275,35.9 36.275,36.2 cw(c36.765,36.2) 36.765,36.69 39.9,36.69 ccw(c39.9,36.968) 40.096,36.771 40.407,37.082 cw(c41.09,36.4) 41.09,37.365 41.225,37.365 ccw(c41.225,38.186) 41.805,37.605 45.522,41.322 cw(c47.46,39.385) 47.46,42.125 70.073,42.125 ccw(c70.073,44.665) 71.869,42.869 74.8,45.8 ccw(c74.136,46.464) 75.075,46.464 75.075,53.075 ccw(c73.264,53.075) 74.545,54.355 68.524,60.376 cw(c70.248,62.1) 67.81,62.1 67.81,69.083 cw(c70.35,69.083) 68.554,70.879 71.526,73.851 cw(c73.492,71.885) 73.492,74.665 74.75,74.665 ccw(c74.75,75.19) 75.275,75.19 75.275,76.3 ccw(c74.895,76.3) 74.895,76.68 74.63,76.68 ccw(c74.63,76.525) v1(74.475,76.525)
LMS1_TX2_BB_Q_P: IC1.U3 R278.1 | length 96.5
  Top w0.25: 74.7,76.975 74.757,76.975 ccw(c74.757,77.393) 75.052,77.097 75.217,77.262 cw(c75.925,76.553) 75.925,77.555 76.22,77.555 ccw(c76.22,77.639) 76.28,77.579 cw(c77.005,76.854) R278.1@77.005,77.88
  L6 w0.1: v3(36.213,33.186) cw(c35.913,33.185) 36.125,32.973 35.95,32.973 ccw(c35.95,32.692) 35.751,32.891 35.223,32.362 cw(c34.65,32.935) 34.65,32.125 33.65,32.125 cw(c33.65,33.875) 32.412,32.638 31.957,33.093 cw(c32.938,34.075) 31.55,34.075 31.55,34.173 cw(c31.977,34.173) 31.675,34.475 32.413,35.213 cw(c32.624,35.001) 32.624,35.3 35.915,35.3 ccw(c35.915,35.9) 36.515,35.9 36.515,36.2 cw(c36.765,36.2) 36.765,36.45 39.9,36.45 ccw(c39.9,36.968) 40.266,36.602 40.577,36.913 cw(c41.09,36.4) 41.09,37.125 41.225,37.125 ccw(c41.225,38.186) 41.975,37.436 45.72,41.181 cw(c47.517,39.385) 47.517,41.925 70.129,41.925 ccw(c70.129,44.665) 72.067,42.728 74.97,45.63 ccw(c74.136,46.464) 75.315,46.464 75.315,53.075 ccw(c73.264,53.075) 74.714,54.525 68.694,60.546 cw(c70.248,62.1) 68.05,62.1 68.05,68.884 cw(c70.83,68.884) 68.864,70.85 71.695,73.681 cw(c73.492,71.885) 73.492,74.425 74.849,74.425 ccw(c74.849,75.091) 75.515,75.091 75.515,76.3 ccw(c74.895,76.3) 74.895,76.92 74.63,76.92 cw(c74.63,77.075) v1(74.475,77.075)
LMS1_TXEN: IC1.U29 IC29.V21 R8.1 | length 90.9
  Top w0.4: v2(111.525,65) IC29.V21@112.025,64.5
  L8 w0.1: v3(36.213,41.844) 37.138,40.919 39.774,40.919 39.907,41.052 40.342,41.052 41.931,42.641 42.307,42.641 47.791,48.125 55.725,48.125 v1(62.4,54.8) 80.5,54.8 81.175,55.475 85.133,55.475 85.458,55.15 86.042,55.15 86.367,55.475 87.783,55.475 88.808,54.45 91.575,54.45 94.25,57.125 99.2,57.125 101.525,59.45 110.47,59.45 111.875,60.855 111.875,64.65 v2(111.525,65)
  Bottom w0.4: R8.1@61.875,54.8 v1(62.4,54.8)